# KiCad board led_mapper_850_mirrored.kicad_pcb (continued)
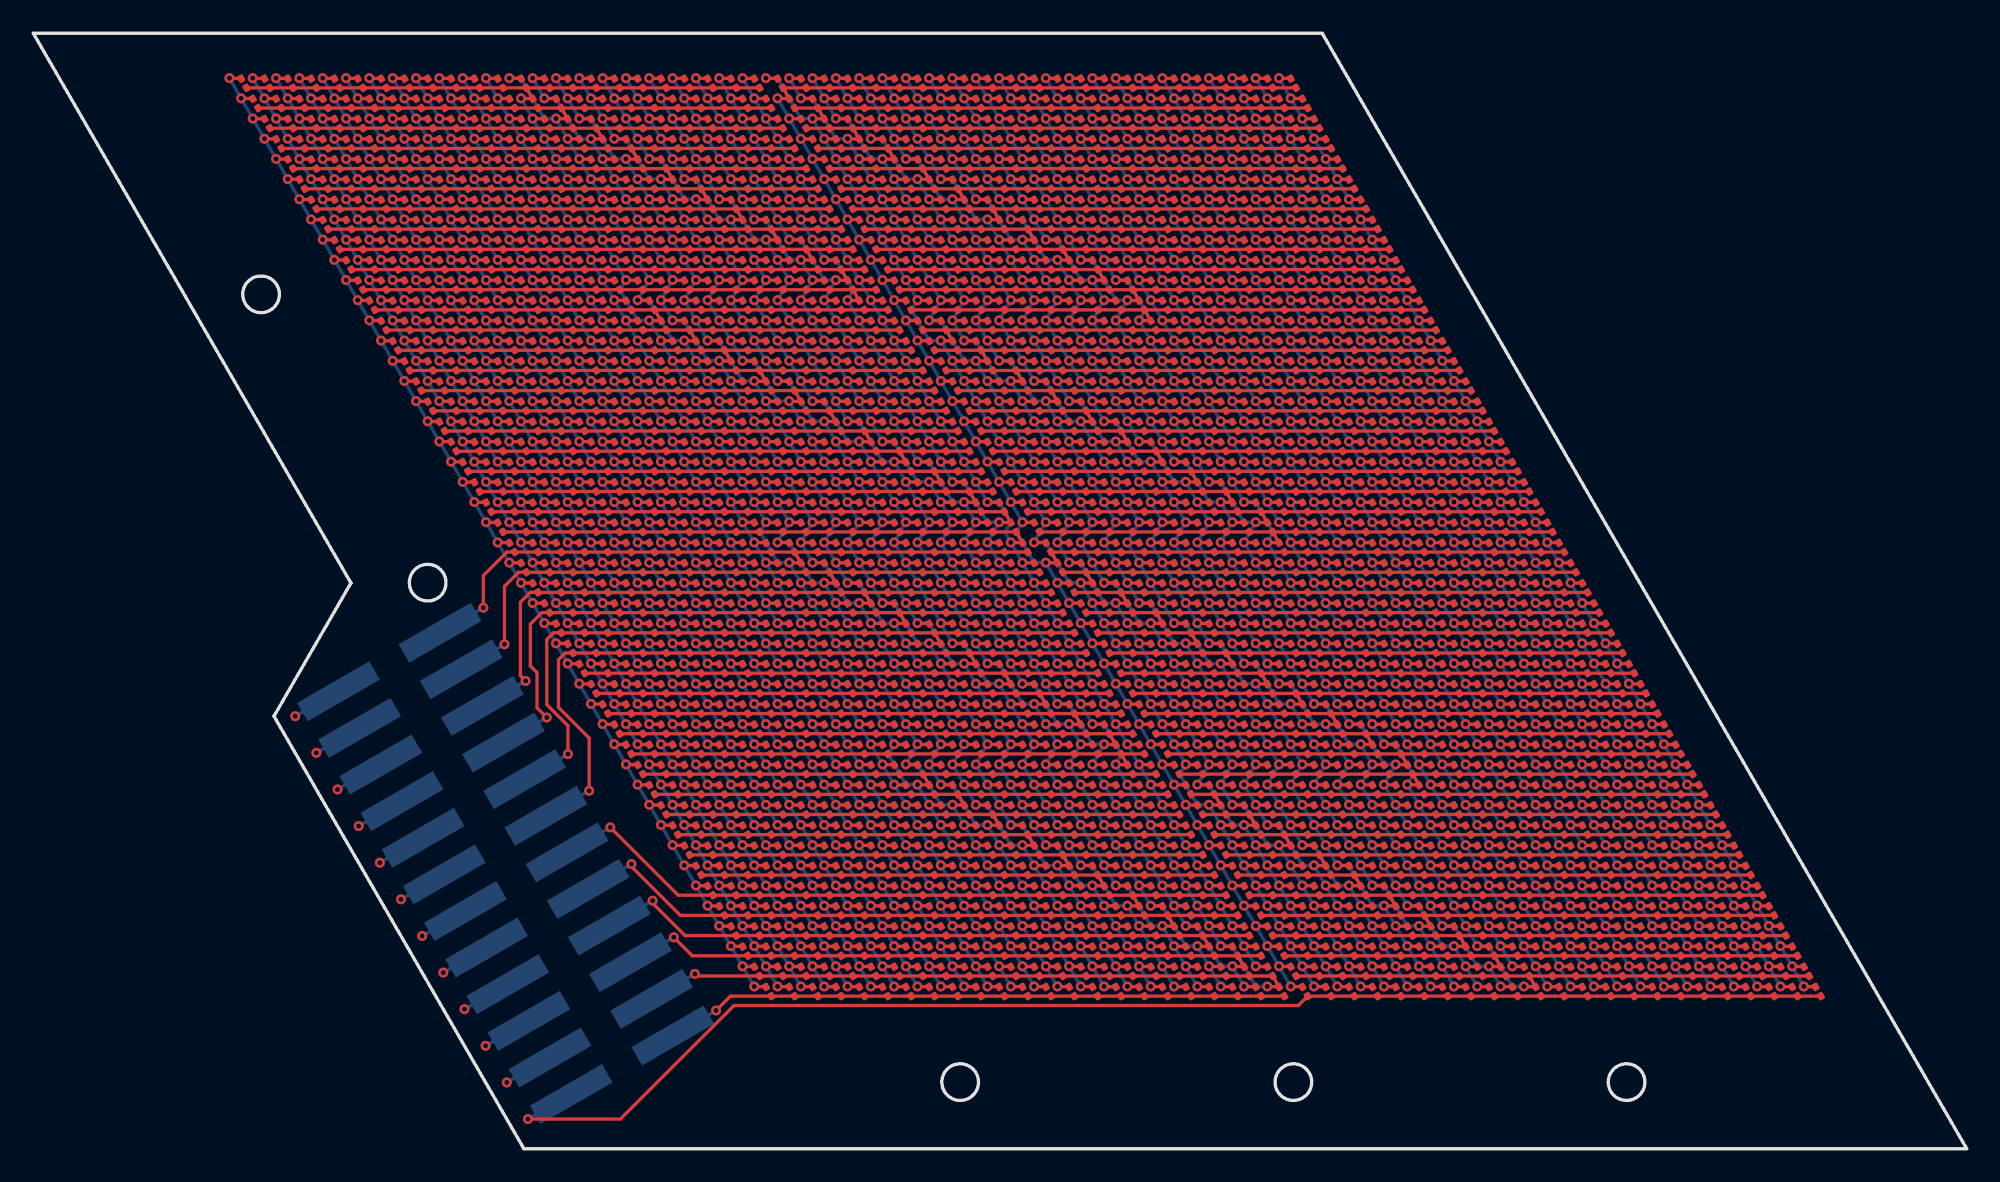
[diagram p0: board, top side]
## Routing (per net, layer and track width the routed paths; a pad name or vN(x,y) marks a point on that pad's centre or on a via; arc(x,y) is an arc through that point) (continued)
/P11: length 359.3
  Top w0.2: D1991.2 v1(86.67,19.45) ; D401.2 v1(35.57,54.61) ; D1483.2 v1(83.17,25.51) ; D379.2 v1(66.37,54.61) ; D103.2 v1(62.17,61.88) ; D1321.2 v1(49.57,30.36) ; D34.2 v1(28.57,64.31) ; D1551.2 v1(53.07,24.3) ; D309.2 v1(34.17,57.03) ; D543.2 v1(45.37,37.63) ; D2048.1 D2070.1 ; D841.2 v1(71.97,44.91) ; D471.2 v1(67.77,52.18) ; D1437.2 v1(82.47,26.72) ; D865.2 v1(40.47,46.12) ; D990.1 D1012.1 ; D2106.2 v1(52.37,23.08) ; D1253.2 v1(79.67,31.57) ; D1505.2 v1(52.37,25.51) ; D1715.2 v1(90.87,12.17) ; D493.2 v1(36.97,52.18) ; D1413.2 v1(50.97,27.93) ; D1785.2 v1(58.67,14.6) ; D1128.1 D1150.1 29.12,34.62 28.28,33.78 v1(28.28,30.3) ; D1877.2 v1(57.27,17.02) ; D447.2 v1(36.27,53.39) ; D149.2 v1(62.87,60.67) ; D217.2 v1(32.77,59.46) ; D287.2 v1(64.97,57.03) ; D979.2 v1(69.87,48.54) ; D1207.2 v1(78.97,32.78) ; D1969.2 v1(55.87,19.45) ; D1899.2 v1(88.07,17.02) ; D911.2 v1(39.77,47.33) ; D565.2 v1(76.17,37.63) ; D1693.2 v1(60.07,12.17) ; D425.2 v1(67.07,53.39) ; D1459.2 v1(51.67,26.72) ; D657.2 v1(74.77,40.06) ; D635.2 v1(43.97,40.06) ; D1367.2 v1(50.27,29.15) ; D1161.2 v1(78.27,33.99) ; D241.2 v1(64.27,58.24) ; D1003.1 D957.2 v1(39.07,48.54) ; D1529.2 v1(83.87,24.3) ; D1048.2 v1(36.27,50.97) ; D517.2 v1(68.47,50.97) ; D749.2 v1(73.37,42.48) ; D1647.2 v1(60.77,10.96) ; D589.2 v1(44.67,38.84) ; D703.2 v1(74.07,41.27) ; D1115.2 v1(77.57,35.21) ; D795.2 v1(72.67,43.69) ; D611.2 v1(75.47,38.84) ; D933.2 v1(70.57,47.33) ; D1623.2 v1(92.27,9.75) ; D355.2 v1(34.87,55.82) ; D333.2 v1(65.67,55.82) ; D887.2 v1(71.27,46.12) ; v1(31.37,61.88) D125.2 D79.1 ; D1601.2 v1(61.47,9.75) ; D1229.2 v1(48.17,32.78) ; D1025.2 v1(69.17,49.76) ; D2083.2 v1(85.27,21.87) ; v1(55.17,20.66) D2015.2 D2061.1 ; D1807.2 v1(89.47,14.6) ; D57.2 v1(61.47,63.09) ; D263.2 v1(33.47,58.24) ; D1923.2 v1(56.57,18.23) ; v1(47.47,33.99) D1183.2 D1137.1 ; D1669.2 v1(91.57,10.96) ; D1761.2 v1(90.17,13.38) ; D2037.2 v1(85.97,20.66) ; D1092.2 v1(44.67,36.42) ; D1299.2 v1(80.37,30.36) ; D773.2 v1(41.87,43.69) ; D1069.2 v1(76.87,36.42) ; D681.2 v1(43.27,41.27) ; D819.2 v1(41.17,44.91) ; D1391.2 v1(81.77,27.93) ; D1275.2 v1(48.87,31.57) ; D1945.2 v1(87.37,18.23) ; D727.2 v1(42.57,42.48) ; D1853.2 v1(88.77,15.81) ; D171.2 v1(32.07,60.67) ; D1575.2 v1(84.57,23.08) ; D195.2 v1(63.57,59.46) ; D1739.2 v1(59.37,13.38) ; D1831.2 v1(57.97,15.81) ; D1345.2 v1(81.07,29.15) ; D11.2 v1(60.77,64.31) ; D70.1 D92.1
  In2.Cu w0.2: v1(39.77,47.33) 40.12,47.94 70.22,47.94 v1(70.57,47.33)
  Bottom w0.2: v1(61.47,9.75) v1(55.17,20.66) 54.47,20.66 53.07,23.08 v1(52.37,23.08) v1(53.07,24.3) v1(47.47,33.99) 46.77,33.99 45.37,36.42 v1(44.67,36.42) v1(45.37,37.63) v1(39.07,48.54) 38.37,48.54 36.97,50.97 v1(36.27,50.97) v1(36.97,52.18) v1(31.37,61.88) 30.67,61.88 29.27,64.31 v1(28.57,64.31) ; J1.23 v1(28.28,30.3) ; v1(60.77,64.31) v1(92.27,9.75)
/P12: length 353.7
  Top w0.2: D1760.2 v1(88.77,13.38) ; D1622.2 v1(90.87,9.75) ; D104.2 v1(60.77,61.88) ; D426.2 v1(65.67,53.39) ; D886.2 v1(69.87,46.12) ; v1(29.27,63.09) D80.2 D34.1 ; D634.2 v1(42.57,40.06) ; D1922.2 v1(55.17,18.23) ; v1(45.37,35.21) D1138.2 D1092.1 ; D1852.2 v1(87.37,15.81) ; D702.2 v1(72.67,41.27) ; D150.2 v1(61.47,60.67) ; D264.2 v1(32.07,58.24) ; D2014.2 v1(53.77,20.66) ; D2036.2 v1(84.57,20.66) ; D772.2 v1(40.47,43.69) ; D680.2 v1(41.87,41.27) ; v1(36.97,49.76) D1002.2 D1048.1 ; D1668.2 v1(90.17,10.96) ; D196.2 v1(62.17,59.46) ; D910.2 v1(38.37,47.33) ; D218.2 v1(31.37,59.46) ; D1830.2 v1(56.57,15.81) ; D1646.2 v1(59.37,10.96) ; D1116.2 v1(76.17,35.21) ; D380.2 v1(64.97,54.61) ; D1036.1 D1058.1 ; D1322.2 v1(48.17,30.36) ; D288.2 v1(63.57,57.03) ; D748.2 v1(71.97,42.48) ; D1208.2 v1(77.57,32.78) ; D1898.2 v1(86.67,17.02) ; D588.2 v1(43.27,38.84) ; D542.2 v1(43.97,37.63) ; D1484.2 v1(81.77,25.51) ; D1460.2 v1(50.27,26.72) ; D794.2 v1(71.27,43.69) ; D24.1 D46.1 ; D726.2 v1(41.17,42.48) ; D518.2 v1(67.07,50.97) ; D448.2 v1(34.87,53.39) ; D864.2 v1(39.07,46.12) ; D1300.2 v1(78.97,30.36) ; v1(53.07,21.87) D2060.2 D2106.1 ; D1600.2 v1(60.07,9.75) ; D1230.2 v1(46.77,32.78) ; D2094.1 D2116.1 ; D1944.2 v1(85.97,18.23) ; D1506.2 v1(50.97,25.51) ; D126.2 v1(29.97,61.88) ; D12.2 v1(59.37,64.31) ; D1392.2 v1(80.37,27.93) ; D334.2 v1(64.27,55.82) ; D1368.2 v1(48.87,29.15) ; D1806.2 v1(88.07,14.6) ; D1346.2 v1(79.67,29.15) ; D932.2 v1(69.17,47.33) ; D818.2 v1(39.77,44.91) ; D610.2 v1(74.07,38.84) ; D1552.2 v1(51.67,24.3) ; v1(27.01,32.5) 27.01,34.43 28.42,35.84 D1104.1 D1082.1 ; D656.2 v1(73.37,40.06) ; D1414.2 v1(49.57,27.93) ; D494.2 v1(35.57,52.18) ; D58.2 v1(60.07,63.09) ; D402.2 v1(34.17,54.61) ; D956.2 v1(37.67,48.54) ; D1784.2 v1(57.27,14.6) ; D1990.2 v1(85.27,19.45) ; D310.2 v1(32.77,57.03) ; D1714.2 v1(89.47,12.17) ; D1162.2 v1(76.87,33.99) ; D1692.2 v1(58.67,12.17) ; D1876.2 v1(55.87,17.02) ; D172.2 v1(30.67,60.67) ; D1070.2 v1(75.47,36.42) ; D472.2 v1(66.37,52.18) ; D1576.2 v1(83.17,23.08) ; D1276.2 v1(47.47,31.57) ; D978.2 v1(68.47,48.54) ; D1530.2 v1(82.47,24.3) ; D1738.2 v1(57.97,13.38) ; D840.2 v1(70.57,44.91) ; D242.2 v1(62.87,58.24) ; D564.2 v1(74.77,37.63) ; D1968.2 v1(54.47,19.45) ; D1254.2 v1(78.27,31.57) ; D1184.2 v1(46.07,33.99) ; D1024.2 v1(67.77,49.76) ; D356.2 v1(33.47,55.82) ; D1438.2 v1(81.07,26.72) ; D2082.2 v1(83.87,21.87)
  In2.Cu w0.2: v1(37.67,48.54) 38.02,49.15 68.12,49.15 v1(68.47,48.54)
  Bottom w0.2: J1.24 v1(27.01,32.5) ; v1(60.07,9.75) v1(53.07,21.87) 52.37,21.87 51.32,23.69 v1(51.67,24.3) v1(45.37,35.21) 44.67,35.21 43.62,37.03 v1(43.97,37.63) v1(36.97,49.76) 36.27,49.76 35.22,51.58 v1(35.57,52.18) v1(29.27,63.09) ; v1(59.37,64.31) v1(90.87,9.75)
/P13: length 431
  Top w0.2: D839.2 v1(69.17,44.91) ; D81.2 v1(27.87,63.09) ; D1047.2 v1(34.87,50.97) ; D151.2 v1(60.07,60.67) ; D1093.2 v1(43.27,36.42) ; D793.2 v1(69.87,43.69) ; D817.2 v1(38.37,44.91) ; D219.2 v1(29.97,59.46) ; D1565.1 D1587.1 ; v1(29.69,1.78) 35.24,1.78 42.06,8.6 75.93,8.6 D1611.1 D1633.1 ; D507.1 D529.1 ; D1323.2 v1(46.77,30.36) ; D1277.2 v1(46.07,31.57) ; D679.2 v1(40.47,41.27) ; D1599.2 v1(58.67,9.75) ; D771.2 v1(39.07,43.69) ; D449.2 v1(33.47,53.39) ; D1209.2 v1(76.17,32.78) ; D1255.2 v1(76.87,31.57) ; D13.2 v1(57.97,64.31) ; D1231.2 v1(45.37,32.78) ; D289.2 v1(62.17,57.03) ; D427.2 v1(64.27,53.39) ; D35.2 v1(27.17,64.31) ; D1415.2 v1(48.17,27.93) ; D1805.2 v1(86.67,14.6) ; D473.2 v1(64.97,52.18) ; v1(74.07,36.42) D1071.2 D563.1 ; D105.2 v1(59.37,61.88) ; D495.2 v1(34.17,52.18) ; D127.2 v1(28.57,61.88) ; D519.1 D1023.2 v1(66.37,49.76) ; D1369.2 v1(47.47,29.15) ; D885.2 v1(68.47,46.12) ; D1185.2 v1(44.67,33.99) ; D955.2 v1(36.27,48.54) ; D725.2 v1(39.77,42.48) ; D2035.2 v1(83.17,20.66) ; D1001.2 v1(35.57,49.76) ; D2105.2 v1(50.97,23.08) ; D2059.2 v1(51.67,21.87) ; v1(82.47,21.87) D2081.2 D1577.1 ; D1667.2 v1(88.77,10.96) ; D311.2 v1(31.37,57.03) ; D1943.2 v1(84.57,18.23) ; D265.2 v1(30.67,58.24) ; D1531.2 v1(81.07,24.3) ; D655.2 v1(71.97,40.06) ; D1645.2 v1(57.97,10.96) ; D1301.2 v1(77.57,30.36) ; D357.2 v1(32.07,55.82) ; D1461.2 v1(48.87,26.72) ; D1139.2 v1(43.97,35.21) ; D541.2 v1(42.57,37.63) ; D609.2 v1(72.67,38.84) ; D2013.2 v1(52.37,20.66) ; D335.2 v1(62.87,55.82) ; D553.1 D575.1 ; D1553.2 v1(50.27,24.3) ; D1967.2 v1(53.07,19.45) ; D701.2 v1(71.27,41.27) ; D1829.2 v1(55.17,15.81) ; D587.2 v1(41.87,38.84) ; D1691.2 v1(57.27,12.17) ; D1851.2 v1(85.97,15.81) ; D1875.2 v1(54.47,17.02) ; D1783.2 v1(55.87,14.6) ; D1989.2 v1(83.87,19.45) ; D59.2 v1(58.67,63.09) ; D1921.2 v1(53.77,18.23) ; D173.2 v1(29.27,60.67) ; D1897.2 v1(85.27,17.02) ; D909.2 v1(36.97,47.33) ; D381.2 v1(63.57,54.61) ; D633.2 v1(41.17,40.06) ; D1759.2 v1(87.37,13.38) ; D1163.2 v1(75.47,33.99) ; D1737.2 v1(56.57,13.38) ; D403.2 v1(32.77,54.61) ; D1713.2 v1(88.07,12.17) ; D243.2 v1(61.47,58.24) ; D1347.2 v1(78.27,29.15) ; D977.2 v1(67.07,48.54) ; D1507.2 v1(49.57,25.51) ; D863.2 v1(37.67,46.12) ; D1393.2 v1(78.97,27.93) ; D197.2 v1(60.77,59.46) ; D1117.2 v1(74.77,35.21) ; D747.2 v1(70.57,42.48) ; D1439.2 v1(79.67,26.72) ; D1485.2 v1(80.37,25.51) ; D931.2 v1(67.77,47.33)
  In2.Cu w0.2: v1(35.57,49.76) 35.92,50.36 66.02,50.36 v1(66.37,49.76) ; v1(50.27,24.3) 50.62,23.69 42.22,9.14 41.62,7.2 v1(29.69,1.78)
  Bottom w0.2: v1(27.17,64.31) v1(58.67,9.75) ; v1(88.77,10.96) v1(82.47,21.87) 82.82,22.48 81.77,24.3 v1(81.07,24.3) v1(74.07,36.42) 74.42,37.03 73.37,38.84 v1(72.67,38.84) v1(66.37,49.76) 66.72,50.36 65.67,52.18 v1(64.97,52.18) v1(57.97,64.31) ; J1.1 v1(29.69,1.78)
/P14: length 386.3
  Top w0.2: D1462.2 v1(47.47,26.72) ; D1667.1 D1621.2 v1(89.47,9.75) ; D1278.2 v1(44.67,31.57) ; D1712.2 v1(86.67,12.17) ; D266.2 v1(29.27,58.24) ; D450.2 v1(32.07,53.39) ; v1(73.37,37.63) D563.2 D609.1 ; D1370.2 v1(46.07,29.15) ; D1942.2 v1(83.17,18.23) ; D1416.2 v1(46.77,27.93) ; D1644.2 v1(56.57,10.96) ; D1000.2 v1(34.17,49.76) ; D60.2 v1(57.27,63.09) ; D1348.2 v1(76.87,29.15) ; D1966.2 v1(51.67,19.45) ; D1022.2 v1(64.97,49.76) ; D724.2 v1(38.37,42.48) ; D382.2 v1(62.17,54.61) ; D1186.2 v1(43.27,33.99) ; D1598.2 v1(57.27,9.75) ; D678.2 v1(39.07,41.27) ; D1232.2 v1(43.97,32.78) ; D1440.2 v1(78.27,26.72) ; D1210.2 v1(74.77,32.78) ; D1140.2 v1(42.57,35.21) ; D1554.2 v1(48.87,24.3) ; D792.2 v1(68.47,43.69) ; D336.2 v1(61.47,55.82) ; D1736.2 v1(55.17,13.38) ; D2034.2 v1(81.77,20.66) ; D106.2 v1(57.97,61.88) ; D496.2 v1(32.77,52.18) ; D461.1 D483.1 ; D128.2 v1(27.17,61.88) ; D82.2 v1(26.47,63.09) ; D1118.2 v1(73.37,35.21) ; D599.1 D621.1 ; D838.2 v1(67.77,44.91) ; D473.1 D519.2 v1(65.67,50.97) ; D152.2 v1(58.67,60.67) ; D700.2 v1(69.87,41.27) ; D1302.2 v1(76.17,30.36) ; D1046.2 v1(33.47,50.97) ; D1394.2 v1(77.57,27.93) ; D36.2 v1(25.77,64.31) ; D632.2 v1(39.77,40.06) ; D862.2 v1(36.27,46.12) ; D2058.2 v1(50.27,21.87) ; D1486.2 v1(78.97,25.51) ; D1508.2 v1(48.17,25.51) ; D586.2 v1(40.47,38.84) ; D1531.1 D1577.2 v1(81.77,23.08) ; D2104.2 v1(49.57,23.08) ; D290.2 v1(60.77,57.03) ; D244.2 v1(60.07,58.24) ; D1804.2 v1(85.27,14.6) ; D1850.2 v1(84.57,15.81) ; D1874.2 v1(53.07,17.02) ; D1519.1 D1541.1 ; D1782.2 v1(54.47,14.6) ; D1896.2 v1(83.87,17.02) ; D1094.2 v1(41.87,36.42) ; D428.2 v1(62.87,53.39) ; D540.2 v1(41.17,37.63) ; D1072.2 v1(72.67,36.42) ; D220.2 v1(28.57,59.46) ; D174.2 v1(27.87,60.67) ; D198.2 v1(59.37,59.46) ; D358.2 v1(30.67,55.82) ; D908.2 v1(35.57,47.33) ; D1828.2 v1(53.77,15.81) ; D2080.2 v1(81.07,21.87) ; D930.2 v1(66.37,47.33) ; D884.2 v1(67.07,46.12) ; D976.2 v1(65.67,48.54) ; D1920.2 v1(52.37,18.23) ; D1988.2 v1(82.47,19.45) ; D2012.2 v1(50.97,20.66) ; D1758.2 v1(85.97,13.38) ; D312.2 v1(29.97,57.03) ; D746.2 v1(69.17,42.48) ; D1324.2 v1(45.37,30.36) ; D1164.2 v1(74.07,33.99) ; D14.2 v1(56.57,64.31) ; D770.2 v1(37.67,43.69) ; D1657.1 D1679.1 ; D1690.2 v1(55.87,12.17) ; D654.2 v1(70.57,40.06) ; D404.2 v1(31.37,54.61) ; D816.2 v1(36.97,44.91) ; D954.2 v1(34.87,48.54) ; D1256.2 v1(75.47,31.57)
  In2.Cu w0.2: v1(28.42,3.98) 40.35,9.4 41.52,10.35 49.22,23.69 v1(48.87,24.3) ; v1(33.47,50.97) 33.82,51.58 65.32,51.58 v1(65.67,50.97)
  Bottom w0.2: v1(56.57,64.31) v1(62.87,53.39) 63.57,53.39 64.97,50.97 v1(65.67,50.97) v1(64.97,49.76) v1(70.57,40.06) 71.27,40.06 72.67,37.63 v1(73.37,37.63) v1(72.67,36.42) v1(78.97,25.51) 79.67,25.51 81.07,23.08 v1(81.77,23.08) v1(81.07,21.87) v1(86.67,12.17) 87.37,12.17 88.77,9.75 v1(89.47,9.75) ; v1(25.77,64.31) v1(57.27,9.75) ; J1.2 v1(28.42,3.98)
/P15: length 385.1
  Top w0.2: D1620.2 v1(88.07,9.75) ; D359.2 v1(29.27,55.82) ; D1417.2 v1(45.37,27.93) ; D631.2 v1(38.37,40.06) ; D907.2 v1(34.17,47.33) ; D313.2 v1(28.57,57.03) ; D1165.2 v1(72.67,33.99) ; D1597.2 v1(55.87,9.75) ; D1941.2 v1(81.77,18.23) ; D1473.1 D1495.1 ; D497.2 v1(31.37,52.18) ; D645.1 D667.1 ; D791.2 v1(67.07,43.69) ; D929.2 v1(64.97,47.33) ; D245.2 v1(58.67,58.24) ; D107.2 v1(56.57,61.88) ; D1965.2 v1(50.27,19.45) ; D1119.2 v1(71.97,35.21) ; D861.2 v1(34.87,46.12) ; D699.2 v1(68.47,41.27) ; D999.2 v1(32.77,49.76) ; D1555.2 v1(47.47,24.3) ; D1095.2 v1(40.47,36.42) ; D1325.2 v1(43.97,30.36) ; D745.2 v1(67.77,42.48) ; D837.2 v1(66.37,44.91) ; D1257.2 v1(74.07,31.57) ; D1703.1 D1725.1 ; D2011.2 v1(49.57,20.66) ; D1371.2 v1(44.67,29.15) ; D654.1 D608.2 v1(71.27,38.84) ; D1279.2 v1(43.27,31.57) ; D1919.2 v1(50.97,18.23) ; D1757.2 v1(84.57,13.38) ; D1211.2 v1(73.37,32.78) ; v1(79.67,24.3) D1532.2 D1486.1 ; D1643.2 v1(55.17,10.96) ; D221.2 v1(27.17,59.46) ; D562.2 v1(71.97,37.63) ; D1141.2 v1(41.17,35.21) ; D428.1 D474.2 v1(63.57,52.18) ; D199.2 v1(57.97,59.46) ; D723.2 v1(36.97,42.48) ; D953.2 v1(33.47,48.54) ; D2057.2 v1(48.87,21.87) ; D1045.2 v1(32.07,50.97) ; D1073.2 v1(71.27,36.42) ; D337.2 v1(60.07,55.82) ; D1349.2 v1(75.47,29.15) ; D2079.2 v1(79.67,21.87) ; D1021.2 v1(63.57,49.76) ; D1689.2 v1(54.47,12.17) ; D1441.2 v1(76.87,26.72) ; D585.2 v1(39.07,38.84) ; D1849.2 v1(83.17,15.81) ; D1827.2 v1(52.37,15.81) ; D677.2 v1(37.67,41.27) ; D520.2 v1(64.27,50.97) ; D1463.2 v1(46.07,26.72) ; D1509.2 v1(46.77,25.51) ; D405.2 v1(29.97,54.61) ; D769.2 v1(36.27,43.69) ; D1873.2 v1(51.67,17.02) ; D61.2 v1(55.87,63.09) ; D83.2 v1(25.07,63.09) ; D1803.2 v1(83.87,14.6) ; D2033.2 v1(80.37,20.66) ; D1987.2 v1(81.07,19.45) ; D1233.2 v1(42.57,32.78) ; D1187.2 v1(41.87,33.99) ; D37.2 v1(24.37,64.31) ; D975.2 v1(64.27,48.54) ; D383.2 v1(60.77,54.61) ; D451.2 v1(30.67,53.39) ; D175.2 v1(26.47,60.67) ; v1(87.37,10.96) D1666.2 D1712.1 ; D539.2 v1(39.77,37.63) ; D2103.2 v1(48.17,23.08) ; D1895.2 v1(82.47,17.02) ; D1781.2 v1(53.07,14.6) ; D15.2 v1(55.17,64.31) ; D291.2 v1(59.37,57.03) ; D1303.2 v1(74.77,30.36) ; D1395.2 v1(76.17,27.93) ; D267.2 v1(27.87,58.24) ; D1735.2 v1(53.77,13.38) ; D883.2 v1(65.67,46.12) ; D415.1 D437.1 ; D1578.2 v1(80.37,23.08) ; D153.2 v1(57.27,60.67) ; D815.2 v1(35.57,44.91) ; D129.2 v1(25.77,61.88)
  In2.Cu w0.2: v1(27.15,6.18) 39.08,11.6 40.82,11.56 47.82,23.69 v1(47.47,24.3) ; v1(63.57,52.18) 63.22,52.79 31.72,52.79 v1(31.37,52.18)
  Bottom w0.2: v1(24.37,64.31) v1(55.87,9.75) ; J1.3 v1(27.15,6.18) ; v1(88.07,9.75) v1(87.37,10.96) 86.67,10.96 85.27,13.38 v1(84.57,13.38) v1(79.67,21.87) v1(80.37,23.08) v1(79.67,24.3) 78.97,24.3 77.57,26.72 v1(76.87,26.72) v1(71.27,36.42) v1(71.97,37.63) v1(71.27,38.84) 70.57,38.84 69.17,41.27 v1(68.47,41.27) v1(63.57,49.76) v1(64.27,50.97) v1(63.57,52.18) 62.87,52.18 61.47,54.61 v1(60.77,54.61) v1(55.17,64.31)
/P16: length 382.9
  Top w0.2: D1044.2 v1(30.67,50.97) ; D561.2 v1(70.57,37.63) ; v1(77.57,25.51) D1487.2 D1441.1 ; D1596.2 v1(54.47,9.75) ; D2010.2 v1(48.17,20.66) ; D2032.2 v1(78.97,20.66) ; v1(69.17,40.06) D653.2 D699.1 ; D630.2 v1(36.97,40.06) ; D1780.2 v1(51.67,14.6) ; D406.2 v1(28.57,54.61) ; D1848.2 v1(81.77,15.81) ; D1688.2 v1(53.07,12.17) ; D2056.2 v1(47.47,21.87) ; D200.2 v1(56.57,59.46) ; D1418.2 v1(43.97,27.93) ; D1757.1 D1711.2 v1(85.27,12.17) ; D1802.2 v1(82.47,14.6) ; D882.2 v1(64.27,46.12) ; D974.2 v1(62.87,48.54) ; D1212.2 v1(71.97,32.78) ; D1665.2 v1(85.97,10.96) ; D1166.2 v1(71.27,33.99) ; D1872.2 v1(50.27,17.02) ; D452.2 v1(29.27,53.39) ; D292.2 v1(57.97,57.03) ; D2102.2 v1(46.77,23.08) ; D338.2 v1(58.67,55.82) ; D176.2 v1(25.07,60.67) ; v1(61.47,53.39) D429.2 D383.1 ; D1396.2 v1(74.77,27.93) ; D836.2 v1(64.97,44.91) ; D1304.2 v1(73.37,30.36) ; D1188.2 v1(40.47,33.99) ; D722.2 v1(35.57,42.48) ; D768.2 v1(34.87,43.69) ; D498.2 v1(29.97,52.18) ; D1619.2 v1(86.67,9.75) ; D1258.2 v1(72.67,31.57) ; D1280.2 v1(41.87,31.57) ; D860.2 v1(33.47,46.12) ; D1142.2 v1(39.77,35.21) ; D1894.2 v1(81.07,17.02) ; D952.2 v1(32.07,48.54) ; D1940.2 v1(80.37,18.23) ; D1372.2 v1(43.27,29.15) ; D360.2 v1(27.87,55.82) ; D475.2 v1(62.17,52.18) ; D1642.2 v1(53.77,10.96) ; D790.2 v1(65.67,43.69) ; D1427.1 D1449.1 ; D108.2 v1(55.17,61.88) ; D1350.2 v1(74.07,29.15) ; D222.2 v1(25.77,59.46) ; D814.2 v1(34.17,44.91) ; D1826.2 v1(50.97,15.81) ; D1326.2 v1(42.57,30.36) ; D246.2 v1(57.27,58.24) ; D998.2 v1(31.37,49.76) ; D130.2 v1(24.37,61.88) ; D1556.2 v1(46.07,24.3) ; D1579.2 v1(78.97,23.08) ; D84.2 v1(23.67,63.09) ; D538.2 v1(38.37,37.63) ; D1734.2 v1(52.37,13.38) ; D1074.2 v1(69.87,36.42) ; D369.1 D391.1 ; D1120.2 v1(70.57,35.21) ; D584.2 v1(37.67,38.84) ; D691.1 D713.1 ; D38.2 v1(22.97,64.31) ; D62.2 v1(54.47,63.09) ; D314.2 v1(27.17,57.03) ; D1533.2 v1(78.27,24.3) ; D1020.2 v1(62.17,49.76) ; D676.2 v1(36.27,41.27) ; D16.2 v1(53.77,64.31) ; D521.2 v1(62.87,50.97) ; D1510.2 v1(45.37,25.51) ; D607.2 v1(69.87,38.84) ; D906.2 v1(32.77,47.33) ; D928.2 v1(63.57,47.33) ; D268.2 v1(26.47,58.24) ; D1964.2 v1(48.87,19.45) ; D1464.2 v1(44.67,26.72) ; D1234.2 v1(41.17,32.78) ; D1986.2 v1(79.67,19.45) ; D2078.2 v1(78.27,21.87) ; D1918.2 v1(49.57,18.23) ; D1096.2 v1(39.07,36.42) ; D154.2 v1(55.87,60.67) ; D1749.1 D1771.1 ; D744.2 v1(66.37,42.48)
  In2.Cu w0.2: v1(29.27,53.39) 29.62,54 61.12,54 v1(61.47,53.39) ; v1(46.07,24.3) 45.37,24.3 39.42,13.99 37.81,13.8 v1(25.88,8.38)
  Bottom w0.2: v1(22.97,64.31) v1(54.47,9.75) ; v1(86.67,9.75) v1(85.27,12.17) 84.57,12.17 83.17,14.6 v1(82.47,14.6) v1(78.27,21.87) v1(78.97,23.08) v1(77.57,25.51) 76.87,25.51 75.47,27.93 v1(74.77,27.93) v1(69.87,36.42) v1(70.57,37.63) v1(69.17,40.06) 68.47,40.06 67.07,42.48 v1(66.37,42.48) v1(62.17,49.76) v1(62.87,50.97) v1(61.47,53.39) 60.77,53.39 59.37,55.82 v1(58.67,55.82) v1(53.77,64.31) ; J1.4 v1(25.88,8.38)
/P17: length 381.4
  Top w0.2: D1802.1 D1756.2 v1(83.17,13.38) ; D1985.2 v1(78.27,19.45) ; D721.2 v1(34.17,42.48) ; D813.2 v1(32.77,44.91) ; D927.2 v1(62.17,47.33) ; D606.2 v1(68.47,38.84) ; D1534.2 v1(76.87,24.3) ; D1795.1 D1817.1 ; D1419.2 v1(42.57,27.93) ; D1351.2 v1(72.67,29.15) ; D2077.2 v1(76.87,21.87) ; D905.2 v1(31.37,47.33) ; D560.2 v1(69.17,37.63) ; D973.2 v1(61.47,48.54) ; D675.2 v1(34.87,41.27) ; D1327.2 v1(41.17,30.36) ; D201.2 v1(55.17,59.46) ; D1641.2 v1(52.37,10.96) ; D63.2 v1(53.07,63.09) ; D293.2 v1(56.57,57.03) ; D407.2 v1(27.17,54.61) ; D1871.2 v1(48.87,17.02) ; D1259.2 v1(71.27,31.57) ; D323.1 D345.1 ; D85.2 v1(22.27,63.09) ; D476.2 v1(60.77,52.18) ; D131.2 v1(22.97,61.88) ; D1779.2 v1(50.27,14.6) ; v1(59.37,54.61) D384.2 D338.1 ; D1595.2 v1(53.07,9.75) ; D2031.2 v1(77.57,20.66) ; D789.2 v1(64.27,43.69) ; D1687.2 v1(51.67,12.17) ; D1488.2 v1(76.17,25.51) ; D1213.2 v1(70.57,32.78) ; D1281.2 v1(40.47,31.57) ; D1664.2 v1(84.57,10.96) ; D177.2 v1(23.67,60.67) ; D2055.2 v1(46.07,21.87) ; D1121.2 v1(69.17,35.21) ; D1019.2 v1(60.77,49.76) ; D1396.1 D1442.2 v1(75.47,26.72) ; D1043.2 v1(29.27,50.97) ; D269.2 v1(25.07,58.24) ; D1847.2 v1(80.37,15.81) ; D737.1 D759.1 ; D1189.2 v1(39.07,33.99) ; D247.2 v1(55.87,58.24) ; D1167.2 v1(69.87,33.99) ; D1710.2 v1(83.87,12.17) ; D1963.2 v1(47.47,19.45) ; D155.2 v1(54.47,60.67) ; D223.2 v1(24.37,59.46) ; D1917.2 v1(48.17,18.23) ; D1511.2 v1(43.97,25.51) ; D1097.2 v1(37.67,36.42) ; D1580.2 v1(77.57,23.08) ; D537.2 v1(36.97,37.63) ; D1618.2 v1(85.27,9.75) ; D951.2 v1(30.67,48.54) ; D1893.2 v1(79.67,17.02) ; D2009.2 v1(46.77,20.66) ; D499.2 v1(28.57,52.18) ; D1465.2 v1(43.27,26.72) ; D315.2 v1(25.77,57.03) ; D629.2 v1(35.57,40.06) ; D453.2 v1(27.87,53.39) ; D430.2 v1(60.07,53.39) ; D522.2 v1(61.47,50.97) ; D1143.2 v1(38.37,35.21) ; D1939.2 v1(78.97,18.23) ; D1235.2 v1(39.77,32.78) ; D1557.2 v1(44.67,24.3) ; D109.2 v1(53.77,61.88) ; D361.2 v1(26.47,55.82) ; v1(67.07,41.27) D698.2 D744.1 ; D1305.2 v1(71.97,30.36) ; D1733.2 v1(50.97,13.38) ; D39.2 v1(21.57,64.31) ; D1373.2 v1(41.87,29.15) ; D997.2 v1(29.97,49.76) ; D17.2 v1(52.37,64.31) ; D2101.2 v1(45.37,23.08) ; D1075.2 v1(68.47,36.42) ; D835.2 v1(63.57,44.91) ; D859.2 v1(32.07,46.12) ; D881.2 v1(62.87,46.12) ; D767.2 v1(33.47,43.69) ; D1381.1 D1403.1 ; D583.2 v1(36.27,38.84) ; D1825.2 v1(49.57,15.81) ; D652.2 v1(67.77,40.06)
  In2.Cu w0.2: v1(24.61,10.58) 36.54,16 38.02,16.41 43.27,25.51 v1(43.97,25.51) ; v1(59.37,54.61) 59.02,55.21 27.52,55.21 v1(27.17,54.61)
  Bottom w0.2: v1(52.37,64.31) v1(56.57,57.03) 57.27,57.03 58.67,54.61 v1(59.37,54.61) v1(61.47,50.97) v1(60.77,49.76) v1(64.27,43.69) 64.97,43.69 66.37,41.27 v1(67.07,41.27) v1(69.17,37.63) v1(68.47,36.42) v1(72.67,29.15) 73.37,29.15 74.77,26.72 v1(75.47,26.72) v1(77.57,23.08) v1(76.87,21.87) v1(80.37,15.81) 81.07,15.81 82.47,13.38 v1(83.17,13.38) v1(85.27,9.75) ; J1.5 v1(24.61,10.58) ; v1(21.57,64.31) v1(53.07,9.75)